# KiCad board pcb.kicad_pcb (continued)
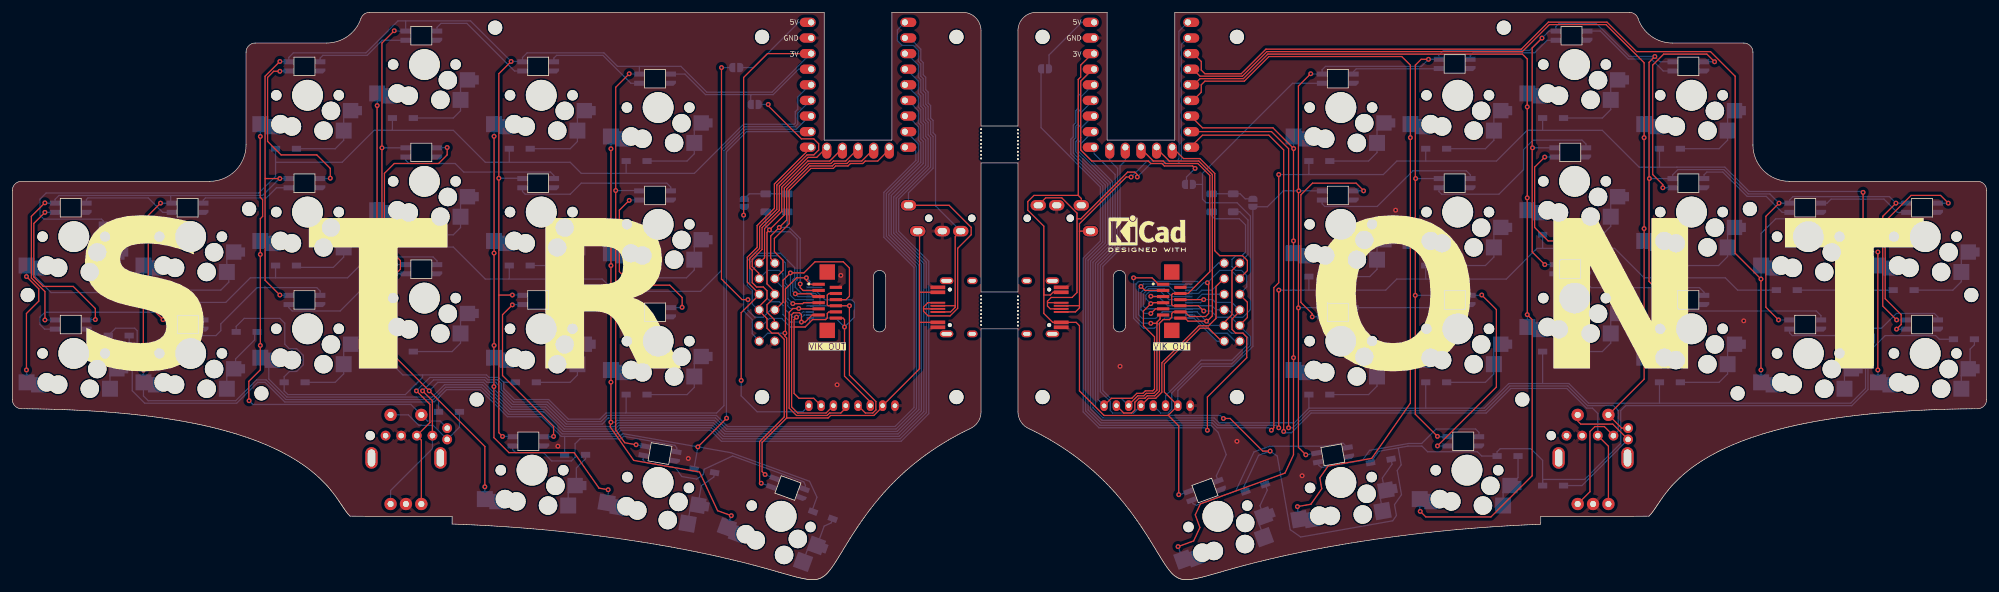
[diagram p0: board, top side]
## Routing (per net, layer and track width the routed paths; a pad name or vN(x,y) marks a point on that pad's centre or on a via; arc(x,y) is an arc through that point) (continued)
Net-(D12-A): length 11.9
  Bottom w0.2: SW12.1 53.87,37.19 53.87,33.49 52.5,32.12 47.8,32.12
Net-(D13-A): length 13.5
  Bottom w0.2: D13.2 71.5,37.12 72.87,38.49 72.87,42.19 SW13.1
Net-(D14-A): length 12.7
  Bottom w0.2: D14.2 90.7,32.12 91.87,33.29 91.87,37.19 SW14.1
Net-(D15-A): length 13.7
  Bottom w0.2: SW15.1 110.87,35.19 110.87,31.29 109.7,30.12 D15.2
Net-(D16-A): length 10
  Bottom w0.2: D16.2 19,37.82 17,35.82 SW16.1 15.87,33.19 SW16.1
Net-(D18-A): length 9.4
  Bottom w0.2: SW17.1 90.37,14.19 91.7,15.52 91.7,18.17 93.2,19.67 D18.2
Net-(D19-A): length 10.1
  Bottom w0.2: SW18.1 110.16,11.23 111.47,12.14 112.02,15.29 114.05,16.71 D19.2
Net-(D20-A): length 9.1
  Bottom w0.2: D20.2 133.15,9.26 131.99,8.72 130.87,5.64 129.28,4.9 SW19.1
Net-(D21-A): length 13.5
  Bottom w0.2: D21.2 315.5,47.12 316.87,48.49 316.87,52.19 SW20.1
Net-(D22-A): length 13.5
  Bottom w0.2: SW21.1 278.87,75.19 278.87,71.51 277.48,70.12 D22.2
Net-(D23-A): length 13.5
  Bottom w0.2: D23.2 258.51,75.12 259.87,76.48 259.87,80.19 SW22.1
Net-(D24-A): length 13.5
  Bottom w0.2: D24.2 239.5,70.12 240.87,71.49 240.87,75.19 SW23.1
Net-(D25-A): length 13.5
  Bottom w0.2: SW24.1 221.87,73.19 221.87,69.49 220.5,68.12 D25.2
Net-(D26-A): length 13.5
  Bottom w0.2: SW25.1 297.87,52.19 297.87,48.49 296.5,47.12 D26.2
Net-(D27-A): length 13.5
  Bottom w0.2: SW26.1 278.87,56.19 SW26.1 278.87,52.58 277.41,51.12 D27.2
Net-(D28-A): length 13.5
  Bottom w0.2: SW27.1 259.87,61.19 259.87,57.49 258.5,56.12 D28.2
Net-(D29-A): length 13.5
  Bottom w0.2: SW28.1 240.87,56.19 240.87,52.49 239.5,51.12 D29.2
Net-(D30-A): length 13.5
  Bottom w0.2: SW29.1 221.87,54.19 221.87,50.49 220.7,49.32 D30.2
Net-(D31-A): length 9.6
  Bottom w0.2: SW30.1 297.87,33.19 SW30.1 299,36.42 301.2,38.62 D31.2
Net-(D32-A): length 13.5
  Bottom w0.2: SW31.1 278.87,37.19 278.87,33.49 277.5,32.12 D32.2
Net-(D33-A): length 13.5
  Bottom w0.2: SW32.1 259.87,42.19 259.87,38.49 258.5,37.12 D33.2
Net-(D34-A): length 13.5
  Bottom w0.2: D34.2 239.5,32.12 240.87,33.49 240.87,37.19 SW33.1
Net-(D35-A): length 13.5
  Bottom w0.2: SW34.1 221.87,35.19 221.87,31.49 220.5,30.12 D35.2
Net-(D36-A): length 8.9
  Bottom w0.2: D36.2 319,38.22 318.3,37.52 318.3,34.62 316.87,33.19 SW35.1
Net-(D38-A): length 9.1
  Bottom w0.2: SW36.1 242.37,14.19 SW36.1 244.8,16.62 D38.2
Net-(D39-A): length 9.4
  Bottom w0.2: SW37.1 222.42,13.27 SW37.1 223.05,14.76 222.74,16.53 224.32,18.79 D39.2
Net-(D40-A): length 9.3
  Bottom w0.2: D40.2 204.04,14.58 202.85,12.04 203.45,10.4 SW38.1 202.76,8.92 SW38.1
Net-(LED1-DOUT): length 16.6
  Bottom w0.2: LED1.2 100.57,80.77 96.02,85.32 88.5,85.32 88.05,84.87 LED2.4
Net-(LED2-DOUT): length 18
  Bottom w0.2: LED2.2 81.65,82.77 73.9,90.52 69.7,90.52 69.05,89.87 LED3.4
Net-(LED3-DOUT): length 15.7
  Bottom w0.2: LED4.4 50.05,84.87 50.5,85.32 57.69,85.32 60.14,87.77 LED3.2
Net-(LED4-DOUT): length 29.6
  Top w0.2: v1(43.5,82.72) 42.5,82.72 41.5,81.72 41.5,71.32 43.7,69.12 49.5,69.12 51.7,66.92 v1(51.7,65.32)
  Bottom w0.2: LED5.4 51.64,65.27 v1(51.7,65.32) ; v1(43.5,82.72) 43.54,82.77 LED4.2
Net-(LED5-DOUT): length 15.2
  Bottom w0.2: LED5.2 42.95,63.77 41.3,62.12 31.4,62.12 31.05,61.77 LED6.4
Net-(LED6-DOUT): length 15.4
  Bottom w0.2: 25.75,59.77 24.46,59.77 22.11,62.12 12.3,62.12 12.05,61.87 LED7.4
Net-(LED7-DOUT): length 28.3
  Top w0.2: v1(13.5,42.32) 13.5,44.12 9.9,47.72 5.04,47.72 3.5,49.25 3.5,57.97 v1(5.3,59.77)
  Bottom w0.2: LED8.4 12.11,42.32 v1(13.5,42.32) ; v1(5.3,59.77) LED7.2
Net-(LED8-DOUT): length 31.8
  Bottom w0.2: LED9.4 31.05,42.97 30.5,43.52 5.29,43.52 4.5,42.72 4.5,41.52 5.26,40.77 LED8.2
Net-(LED10-DIN): length 29.7
  Bottom w0.2: LED10.4 50.05,46.97 49.5,47.52 39.8,47.52 33.9,41.62 33.9,40.52 33.1,39.72 26.39,39.72 25.95,40.16 LED9.2
Net-(LED10-DOUT): length 29.3
  Bottom w0.2: LED11.4 69.05,51.88 68.41,52.52 62.1,52.52 53.31,43.72 45.5,43.72 44.95,44.27 LED10.2
Net-(LED11-DOUT): length 33.8
  Top w0.2: v1(70.7,70.32) 70.7,69.12 69.3,67.72 62.1,67.72 60.5,66.12 60.5,54.52 63.1,51.92 63.1,50.52 v1(62.3,49.72)
  Bottom w0.2: LED12.4 69.1,70.32 v1(70.7,70.32) ; v1(62.3,49.72) 62.35,49.77 LED11.2
Net-(LED12-DOUT): length 26.1
  Bottom w0.2: LED12.2 63.95,68.27 64.5,67.72 72,67.72 73.39,66.32 87.5,66.32 88.05,65.77 LED13.4
Net-(LED13-DOUT): length 26.5
  Bottom w0.2: LED13.2 82.95,63.16 83.38,62.72 90.71,62.72 92.5,64.52 106.41,64.52 107.05,63.88 LED14.4
Net-(LED14-DOUT): length 29.3
  Top w0.2: v1(100.3,61.72) 100.29,61.72 98.7,60.12 98.7,50.12 100.9,47.92 106.9,47.92 108.9,45.92 v1(108.9,44.32)
  Bottom w0.2: LED14.2 100.35,61.77 v1(100.3,61.72) ; v1(108.9,44.32) 108.85,44.27 LED15.4
Net-(LED15-DOUT): length 15.3
  Bottom w0.2: LED16.4 95.35,46.27 98.85,42.77 LED15.2
Net-(LED16-DOUT): length 28.7
  Top w0.2: v1(81.3,44.72) 79.7,43.12 79.7,33.22 88,24.92 v1(88,23.32)
  Bottom w0.2: LED17.4 87.95,23.27 v1(88,23.32) ; v1(81.3,44.72) 81.35,44.77 LED16.2
Net-(LED17-DOUT): length 32
  Bottom w0.2: LED18.4 108.05,21.41 107.73,21.86 99.38,23.33 98.97,22.92 92.31,22.92 91.5,22.12 91.5,19.92 90.9,19.32 87.69,19.32 86.35,20.67 81.84,20.67 81.35,21.16 LED17.2
Net-(LED18-DOUT): length 31.4
  Bottom w0.2: LED18.2 102.54,19.55 102.86,19.09 107.84,18.21 108.83,16.79 111.26,16.37 112.34,17.13 112.49,17.98 117.11,20.13 128.68,15.92 128.96,15.32 LED19.4
Net-(LED20-DOUT): length 30.7
  Bottom w0.2: LED20.2 191.97,12.37 192.52,12.11 198.91,14.44 201.88,20.79 204.44,21.72 213.46,21.72 216.14,22.19 216.38,22.19 LED21.4
Net-(LED21-DOUT): length 29.7
  Bottom w0.2: LED21.2 212.42,18.58 212.89,18.25 219.53,19.42 220.66,21.04 227.03,22.16 229.14,22.16 231.5,24.52 237.9,24.52 238.45,23.97 LED22.4
Net-(LED22-DOUT): length 33
  Top w0.2: v1(238.9,46.32) 241.28,43.94 241.28,31.35 v1(231.7,21.77)
  Bottom w0.2: v1(231.7,21.77) LED22.2 ; v1(238.9,46.32) 238.84,46.27 LED23.4
Net-(LED23-DOUT): length 14.1
  Bottom w0.2: LED23.2 230.95,44.77 230.45,44.27 LED24.4
Net-(LED24-DOUT): length 35.4
  Top w0.2: v1(219.7,63.27) 219.7,63.29 218.47,64.52 211.4,64.52 209.5,62.62 209.5,45.12 211.34,43.27 v1(211.34,42.77)
  Bottom w0.2: v1(219.7,63.27) LED25.4 ; v1(211.34,42.77) LED24.2
Net-(LED25-DOUT): length 28.2
  Bottom w0.2: LED26.4 237.05,65.88 236.4,66.52 227.71,66.52 221.91,60.72 213.38,60.72 212.95,61.16 LED25.2
Net-(LED26-DOUT): length 31.1
  Bottom w0.2: LED27.4 255.85,70.88 255.2,71.52 247.26,71.52 245.7,69.96 245.7,66.72 241.7,62.72 232.38,62.72 231.95,63.16 LED26.2
Net-(LED27-DOUT): length 29.2
  Top w0.2: v1(257.7,51.32) 257.7,52.92 255.5,55.12 249.7,55.12 247.5,57.32 247.5,67.12 v1(249.14,68.77)
  Bottom w0.2: v1(257.7,51.32) 257.64,51.27 LED28.4 ; v1(249.14,68.77) LED27.2
Net-(LED28-DOUT): length 26.4
  Bottom w0.2: LED29.4 275.05,46.77 274.3,47.52 256.7,47.52 255.49,48.72 251.18,48.72 250.75,49.16 LED28.2
Net-(LED29-DOUT): length 25.9
  Bottom w0.2: LED29.2 269.95,44.16 270.39,43.72 293.3,43.72 294.05,42.97 LED30.4
Net-(LED30-DOUT): length 27.1
  Bottom w0.2: LED30.2 288.95,40.16 289.38,39.72 296.31,39.72 297.5,40.92 303.9,40.92 306.3,43.32 312.5,43.32 313.05,42.77 LED31.4
Net-(LED31-DOUT): length 34.8
  Top w0.2: v1(306.34,40.77) 307.1,41.52 307.1,43.12 304.5,45.72 304.5,58.32 308.7,62.52 313.5,62.52 v1(314.76,61.27)
  Bottom w0.2: v1(314.76,61.27) LED32.4 ; v1(306.34,40.77) LED31.2
Net-(LED32-DOUT): length 15.1
  Bottom w0.2: LED32.2 306.46,59.77 304.3,61.92 295.7,61.92 295.04,61.27 LED33.4
Net-(LED33-DOUT): length 17.4
  Bottom w0.2: LED33.2 287.75,59.77 285.15,62.37 282.06,62.37 278.1,66.32 275.5,66.32 275.05,65.87 LED34.4
Net-(LED34-DOUT): length 35.3
  Top w0.2: v1(276.76,84.27) 275.51,85.52 268.49,85.52 266.7,83.72 266.7,65.92 268.34,64.27 v1(268.34,63.77)
  Bottom w0.2: v1(268.34,63.77) LED34.2 ; v1(276.76,84.27) LED35.4
Net-(LED35-DOUT): length 16.6
  Bottom w0.2: LED36.4 258.19,89.27 262.73,84.72 266.45,84.72 268.41,82.77 LED35.2
Net-(LED36-DOUT): length 15.5
  Bottom w0.2: LED37.4 237.05,85.27 237.5,85.72 247.5,85.72 249.54,87.77 LED36.2
Net-(LED37-DOUT): length 14.5
  Bottom w0.2: LED38.4 218.05,82.67 218.51,83.12 231.91,83.12 LED37.2

## Copper pours and planes (outline as drawn; the poured copper is in the pictures)
GND on Top, Bottom: 157.5,92.32 -2.5,92.32 -2.5,-2.68 157.5,-2.68
GNDA on Top, Bottom: 163.5,92.32 324,92.32 323.5,-2.68 163.5,-2.68

## Text on the board
B.Silkscreen: BL / GPIO1 | RST / GPIO2 | MOSI / SCL | SCLK / SDA | LED | R0 | R1 | R2 | R3 | TX | VCC | GND | RX | 5V VIK | LED VIK | I2C PULLUP | SCL | SDA | C0 | C1 | C2 | C3 | C4 | ENCA | ENCB | MISO | CS | github.com/sadekbaroudi/vik | github.com/zzeneg/stront
F.Mask: github.com/zzeneg/stront
F.Silkscreen: S | T | R | O | N
